# Allegro board hi3518edmeb_ver_a_pcb.brd (continued)
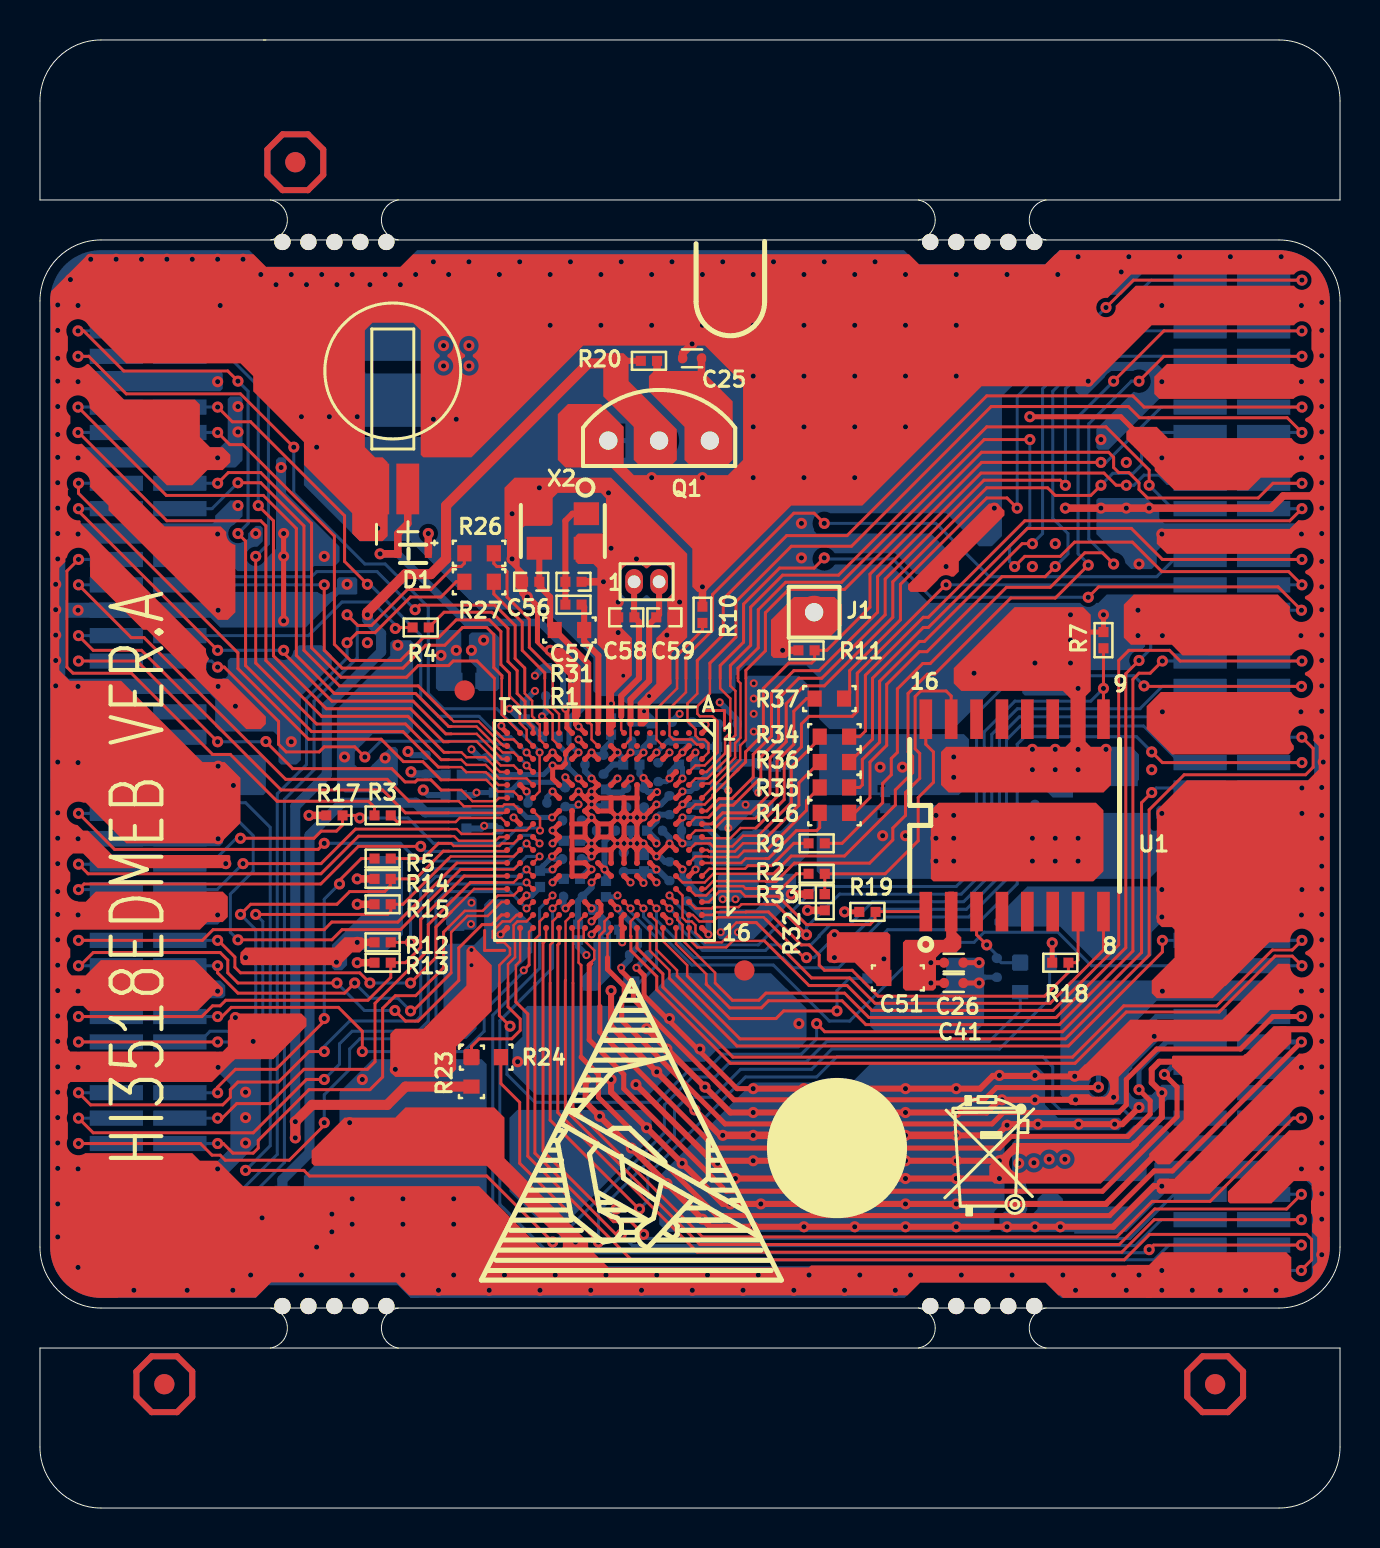
[diagram p0: board, top side]
## Routing (per net, layer and track width the routed paths; a pad name or vN(x,y) marks a point on that pad's centre or on a via; arc(x,y) is an arc through that point)
1V2: length 23
  TOP w0.254: U3.F12 30.2,31.28 v2(30.2,31.26) ; U3.E8 30.85,34.53 v2(30.85,34.54) ; U3.G5 29.55,36.48 v2(29.55,36.49) ; U3.E11 30.85,31.93 v2(30.85,31.93) ; U3.E6 30.82,35.81 v2(30.87,35.81) ; v2(30.85,33.23) U3.E9 ; U3.M8 v2(25.65,33.88) U3.M9 v2(25.65,33.23) ; v2(30.2,36.51) 30.2,36.51 30.52,36.19 U3.E5 ; U3.M6 v2(25.65,35.83) ; U3.M12 v2(25.65,31.28) ; v2(28.9,36.49) U3.H5 ; v2(29.55,31.28) U3.G12
  BOTTOM w0.254: C64.1 25.36,35.55 v2(25.65,35.84) ; C34.1 25.78,33.37 v2(25.65,33.23) ; C66.1 30.76,31.84 v2(30.85,31.93) ; C66.1 30.23,31.29 v2(30.2,31.26) ; C66.1 30.21,31.83 C13.1 29.21,31.64 29.55,31.3 v2(29.55,31.28) ; v2(25.65,33.88) 25.76,34 C12.1
  BOTTOM w0.305: v2(30.85,33.23) 30.85,33.41 C33.1 30.85,34.35 v2(30.85,34.54) 30.99,34.68 C11.1 ; C65.1 25.83,31.46 v2(25.65,31.28) ; v2(28.9,36.49) 28.87,36.49 C35.1 28.47,35.78 29.12,35.78 C1.1 29.34,36.27 v2(29.55,36.49) ; v2(30.85,31.93) 30.9,31.93 31.46,31.38 C23.2 ; LB1.2 24.63,39.08 24.61,39.08 C45.1 24.03,39.44 v2(23.5,39.97) ; C67.1 30,36.71 v2(30.2,36.51) 30.23,36.48 C63.1 30.41,35.81 30.86,35.81 30.86,35.81 v2(30.87,35.81)
  BOTTOM w0.381: C28.1 49.78,34.38
  vias: v1(42.16,33.62) v1(43.31,33.62) v1(44.83,34.64) v1(44.83,33.5) v1(44.83,32.35) v1(45.72,34.64) v1(45.72,33.5) v1(45.72,32.35) v1(49.66,33.5) v1(49.66,32.35) v1(50.8,33.5) v1(50.8,32.35) v1(51.94,33.5) v1(51.94,32.35)
1V8: length 17.4
  TOP w0.254: U3.G3 29.55,37.78 v2(29.55,37.79) ; U3.C8 v2(32.15,34.54) ; U3.F3 30.2,37.78 v2(30.2,37.79) ; U3.C4 v2(31.5,36.49) ; U3.C5 31.82,36.16 v2(32.15,36.49) ; U3.C9 v2(32.15,33.23)
  BOTTOM w0.254: C14.1 32.09,34.48 v2(32.15,34.54) 32.72,34.54 C44.1 ; C15.1 31.34,36.33 v2(31.5,36.49) 31.5,36.49 31.5,36.8 31.88,37.18 C38.1 32.15,37.01 v2(32.15,36.49)
  BOTTOM w0.305: 37.72,37.18 37.62,37.08 C70.1 36.83,37.94 ; C31.1 30.58,38.42 30.2,38.04 v2(30.2,37.79) v2(29.55,37.79) 29.59,37.83 C2.1 ; 33.78,32.99 33.38,33.39 C36.1 32.73,33.23 v2(32.15,33.23) 32.09,33.29 C14.1 ; C44.1 33.05,34.36 34.04,33.37 ; C27.1 20.32,56.61
  BOTTOM w0.381: R21.2 34.91,37.27 C7.1 36,37.08 C70.1
  vias: v1(20.19,58.13) v1(20.19,57.12) v1(21.46,58.13) v1(21.46,57.12) v2(35.71,41.24) v2(35.71,40.48) v2(35.71,39.72) v2(35.71,38.83)
3V3: length 29.8
  TOP w0.254: R18.1 v1(50.65,28.26) ; v2(30.85,31.28) U3.E12 ; U3.M11 v2(25.65,31.93) ; v2(32.15,31.93) U3.C11 ; U3.K3 27.27,37.46 v2(27.6,37.79) U3.J3 ; C41.1 v1(44.58,26.26) ; v2(25.62,32.58) 25.65,32.58 U3.M10 ; R19.1 v1(40.26,29.81) ; C26.1 v1(44.58,27.27)
  TOP w0.381: C25.1 33.1,56.57 32.88,56.35 ; R13.2 v1(15.88,27.27) ; v1(19.43,48.74) D1.2 ; R15.1 v1(15.88,30.19) ; R14.1 v1(15.88,31.46) ; R32.1 v1(38.4,29.89) ; 30.88,56.35 R20.1 ; R17.1 v1(13.46,34.64)
  POWER3 w0.254: 33.52,52.48 Q1.3 ; Q1.3 32.62,53.38 ; Q1.3 33.52,54.29 ; Q1.3 34.42,53.38
  BOTTOM w0.254: LB2.2 v2(21.84,35.78) ; C16.1 25.75,32.45 v2(25.62,32.58) 25.62,32.58 25.46,32.41 25.46,32.4 25.19,32.13 25.17,32.13 25.02,31.97 C39.1 25.58,31.87 v2(25.65,31.93) ; LB3.2 28.83,30.56 v2(28.9,30.63)
  BOTTOM w0.305: v2(27.6,37.79) 27.73,37.65 C3.1 28.19,37.94 28.57,38.32 C32.1 ; v2(32.15,31.93) 32.15,31.53 C9.1 33.21,30.47 C37.1 ; LB5.2 26.92,28.07 v2(27.34,27.65) ; C72.1 21.72,35.65 v2(21.84,35.78)
  BOTTOM w0.381: v2(24.77,41.62) 25.15,42 LB4.1 ; v1(18.56,36.82) 18.67,36.71 C43.1 20.27,36.71 LB6.1 ; 49.15,16.73 C29.1
  vias: v1(21.59,42.89) v1(22.2,43.4) v1(48.97,17.24) v1(49.73,17.27) v1(50.5,17.44) v1(51.28,17.44) v2(21.59,30.27) v2(21.56,29.2) v2(34.16,30.45) v2(34.8,30.45)
AVDD3V3: length 7.8
  TOP w0.127: 26.3,37.23 26.3,37.24 26.25,37.28 26.3,37.33 26.3,37.59 26.25,37.64 26.3,37.68
  TOP w0.254: 26.3,37.68 26.3,37.78 U3.L2 ; 25.65,37.13 v2(25.65,37.13) ; 25.65,37.13 25.65,36.48 U3.M5 ; 25.65,37.13 25.73,37.05 26.12,37.05 26.3,37.23
  BOTTOM w0.254: v2(25.65,37.13) 25.19,36.68 23.46,36.68 C22.1
  BOTTOM w0.305: LB6.2 21.18,36.58 C17.1 C22.1
AVDD12_PLL: length 3
  TOP w0.254: U3.K5 v2(26.95,36.49)
  BOTTOM w0.254: LB1.1 25.92,38.18 26.33,37.78 C18.1 26.33,37.14 26.47,37 26.48,37 26.95,36.53 v2(26.95,36.49)
AVDD33_PLL: length 4.3
  TOP w0.254: v2(26.29,36.54) 26.29,36.49 U3.L5
  BOTTOM w0.254: 26.29,35.95 26.2,35.95 25.85,36.29 23.99,36.29 LB2.1
  BOTTOM w0.305: 26.29,35.95 C19.1 v2(26.29,36.54)
AVDD_AC: length 2.8
  TOP w0.152: U3.J12 v2(27.6,31.28)
  BOTTOM w0.305: LB5.1 26.92,30.36 C40.1 27.6,31.03 v2(27.6,31.28)
AVDD_USB: length 3.7
  TOP w0.254: U3.J11 v2(28.25,31.93) U3.H12
  BOTTOM w0.254: v2(28.25,31.93) 28.32,31.86 LB3.1
  BOTTOM w0.305: C24.2 28.25,33.33 v2(28.25,31.93)
GND: length 446.2
  TOP w0.254: U3.L8 U3.L9 ; U3.L8 U3.K8 ; U3.L8 U3.L7 ; U3.L9 U3.K9 ; U3.L9 U3.L10 ; U3.R8 v2(23.7,34.53) ; U3.G7 U3.G6 ; U3.G7 v2(28.9,34.54) ; U3.G7 v2(29.55,34.54) ; U3.G6 U3.H6 ; U3.G6 U3.F6 ; U3.G10 v2(28.9,33.23) ; U3.G10 U3.G11 ; U3.G10 v2(29.55,33.23) ; v2(28.9,33.23) U3.H10 ; v2(28.9,33.23) U3.G9 ; v2(28.9,33.23) U3.H9 ; v1(53.21,44.67) R7.2 52.37,43.81 ; U3.J6 v2(27.6,35.83) ; U3.J6 v2(27.6,35.19) ; U3.J6 U3.H6 ; v2(27.6,35.84) 27.27,35.51 U3.K6 ; v2(27.6,35.84) U3.J5 v2(27.6,36.48) ; U3.F9 v2(29.55,33.23) ; U3.F9 U3.F8 ; U3.F9 30.2,33.23 v2(30.2,33.23) ; v2(29.55,33.23) U3.F10 ; v2(29.55,33.23) U3.G9 ; U3.H6 U3.H7 ; v2(33.31,39.19) 33.32,39.19 33.32,38.95 U3.A1 ; U3.F8 30.2,34.53 v2(30.2,34.54) ; U3.F8 29.87,34.21 v2(29.55,34.54) ; v2(28.9,34.54) 29.22,34.21 U3.G8 ; v2(28.9,34.54) U3.H8 ; v2(28.9,34.54) 28.9,34.54 U3.H7 ; U3.L11 U3.L12 U3.K12 v2(27.6,31.93) U3.K11 U3.L11 ; U3.L11 U3.L10 ; v2(29.55,34.54) U3.F7 ; v2(29.55,34.54) U3.G8 ; U3.K10 v2(27.6,32.58) U3.J10 ; U3.K10 U3.L10 ; U3.K10 v2(27.6,33.23) ; C51.2 v1(42.23,27.46) ; v2(23.05,28.68) U3.T16 ; U3.K8 U3.K9 ; U3.K8 27.27,34.21 v2(27.6,34.54) ; U3.F7 U3.F6 ; U3.F7 v2(30.2,34.54) ; U3.J16 v2(27.6,28.68) ; U3.H7 U3.J7 v2(27.6,35.18) ; v2(27.6,34.54) U3.K7 27.27,34.86 v2(27.6,35.19) ; v2(27.6,34.53) U3.J8 ; v2(23.09,39.12) 23.11,39.09 23.11,39.02 U3.T1 ; U3.N3 v2(25.65,37.79) 25.97,37.46 U3.M3 ; U3.H10 U3.J10 ; U3.H10 U3.H11 ; U3.J10 v2(27.6,33.23) ; U3.K9 v2(27.6,33.23) ; U3.G8 U3.G9 ; U3.F6 U3.F5 ; v1(46.99,26.26) C41.2 ; v2(27.6,29.33) U3.J15 27.92,29.66 28.07,29.81 28.07,30.16 27.92,30.31 U3.J14 ; v2(27.6,35.19) U3.K6 ; U3.K6 v2(26.95,35.83) 26.62,35.51 U3.L6 ; v1(12.19,48.74) v1(12.19,47.59) v1(12.19,44.37) ; v2(32.8,31.93) U3.B12 ; v2(27.6,33.23) U3.J9 ; v1(35.69,20.97) 34.87,20.97 33.02,22.83 v1(33.02,22.95) 32.89,22.95 31.5,24.35 v1(31.5,24.48) 31.37,24.48 30.23,25.62 30.23,26.64 v2(29.84,27.02) ; v2(30.2,33.23) U3.E10 30.85,32.58 v2(30.85,32.58) v2(31.5,33.23) U3.C10 ; v2(30.2,33.23) U3.F10 ; v2(30.2,34.54) U3.E7 30.85,35.18 v2(30.85,35.19) ; v2(31.5,29.33) 31.5,29.33 U3.D15 ; U3.L14 v2(26.3,29.98) ; v2(32.8,37.79) U3.B3 ; v1(56.13,52.52) 54.08,54.58 v1(49.53,54.58) ; U3.R14 v2(24.35,30.63) ; U3.F10 U3.F11 ; v2(26.95,38.43) U3.K2 ; U3.B6 v2(32.15,35.19) U3.C7 ; U3.H8 U3.J8 ; U3.H8 U3.H9 ; v1(46.99,27.27) C26.2 ; U3.H2 v2(28.9,37.79) U3.H3 ; U3.N1 25.32,39.39 v2(25.12,39.59) ; U3.G15 29.08,29.52 29.08,29.15 U3.G16 29.13,28.92 v2(29.13,28.29) ; U3.J8 U3.J9 ; U3.R5 v2(24.35,35.84) ; U3.J9 U3.H9 ; U3.D3 31.5,37.78 v2(31.5,37.79) ; v2(33.45,28.68) U3.A16 ; v2(26.95,39.08) U3.K1
  TOP w0.305: v1(55.75,23.59) 59.56,23.59 61.82,25.85 v1(63.12,25.85) ; v1(33.91,17.24) 34.67,16.48 v1(34.8,16.48) v1(38.23,16.48) v1(40.77,16.48) v1(43.31,16.48) v1(45.85,16.48) v1(48.01,16.48) ; v1(33.91,17.24) 33.76,17.24 v1(29.82,21.18) ; v1(33.91,17.24) 34.04,17.37 v1(35.69,17.37) v1(38.23,17.37) v1(40.77,17.37) v1(43.31,17.37) v1(45.85,17.37) v1(48.01,17.37) ; v1(51.77,21.59) 51.77,21.58 49.83,21.58 v1(49.78,21.63) 49.76,21.61 48.03,21.61 v1(48.01,21.63) 47.98,21.61 47.68,21.61 47.04,20.97 v1(45.85,20.97) v1(43.31,20.97) v1(40.77,20.97) v1(38.23,20.97) v1(35.69,20.97) ; 56.8,22.32 56.01,22.32 55.63,21.94 55.63,21.28 v1(56.13,20.77) 56.13,19.55 54.6,18.01 ; v2(26.95,39.08) 26.82,39.21 26.82,39.81 ; v1(63.12,22.04) 62.97,22.04 57.02,16.1 v1(56.13,16.1) 55.73,16.1 53.7,14.06 v1(51.05,14.06) v1(49.78,14.06) v1(48.39,14.06) v1(45.85,14.06) v1(43.31,14.06) v1(40.77,14.06) v1(38.23,14.06) v1(35.69,14.06) 33.53,14.06 v1(33.15,14.45) v1(31.37,16.22) v1(29.59,18) v1(28,19.59) 27.3,20.29 v1(27.3,21.43) ; v1(34.16,18.64) 34.04,18.64 v1(32.77,19.91) v1(30.86,21.81) 28.57,24.1 v1(28.57,25.88) ; v1(30.35,23.97) v1(31.37,22.95) v1(33.27,21.05) 34.54,19.78 v1(35.69,19.78) v1(38.23,19.78) v1(40.77,19.78) v1(43.31,19.78) v1(45.85,19.78) 47.37,19.78 48.01,20.41 v1(48.13,20.41) v1(49.78,20.41) v1(51.82,20.41) 53.59,20.41 v1(53.72,20.54) ; 62.08,23.95 63.54,23.95 ; v1(28.57,21.43) 28.57,20.8 v1(30.35,19.02) v1(32.13,17.24) 34.16,15.21 v1(34.54,15.21) v1(36.07,15.21) v1(38.23,15.21) v1(40.64,15.21) v1(43.31,15.21) v1(45.85,15.21) 53.34,15.21 55.76,17.63 ; v1(54.99,20.03) 54.15,19.2 v1(53.77,19.2) v1(51.97,19.2) v1(49.94,19.2) 48.44,19.2 v1(48.39,19.14) 47.88,18.64 v1(45.85,18.64)
  TOP w0.381: R33.2 v1(37.59,30.7) ; v2(26.67,41.37) 26.82,41.22 26.82,39.81 ; 64.01,50.62 62.2,50.62 61.59,50.01 v1(55.5,50.01) v1(54.36,50.01) v1(53.09,50.01) v1(51.31,50.01) ; v1(34.16,18.64) v1(35.69,18.64) v1(38.23,18.64) v1(40.77,18.64) v1(43.31,18.64) v1(45.85,18.64) ; v1(24.38,45.56) 24.17,45.77 C56.2 ; R11.2 v1(37.16,42.89) ; v1(32.63,58.22) 32.16,57.75 C25.2 ; C57.2 v1(28.19,46.32) ; U1.10 v1(51.94,40.99) ; R10.1 v1(33.15,46.07) ; R12.2 v1(15.88,28.29) ; U2.2 v1(16.9,49)
  GND02 w0.254: Q1.1 29.34,53.38 ; Q1.1 28.44,52.48 ; Q1.1 28.44,54.29 ; Q1.1 27.54,53.38
  BOTTOM w0.254: C12.2 27.45,34.38 v2(27.6,34.54) ; v2(31.5,37.79) 30.98,37.27 C15.2 ; v2(29.55,33.23) 29.57,33.25 C33.2 ; C63.2 30.23,34.56 v2(30.2,34.54) ; v2(30.2,33.23) 30.23,33.21 C66.2 ; 19.55,55.12 C27.2 20.32,54.45 ; C64.2 24.42,35.76 v2(24.35,35.84) ; C38.2 32.79,37.78 v2(32.8,37.79) ; C46.2 47.28,26.55 v1(46.99,26.26) ; 27.54,53.38 Q1.1 ; Q1.1 28.44,54.29 ; Q1.1 28.44,52.48 ; Q1.1 29.34,53.38 ; v2(26.95,35.19) 26.85,35.08 C19.2 ; C13.2 29.21,32.92 v2(28.9,33.23) ; C1.2 29.34,34.97 v2(28.9,34.54) ; v2(27.6,35.19) 27.66,35.12 C35.2 ; v2(27.6,32.58) 27.47,32.45 C16.2 ; C24.1 27.85,33.49 v2(27.6,33.23) 27.46,33.37 C34.2
  BOTTOM w0.305: v2(32.8,31.93) 32.89,32.03 C36.2 ; C8.2 22.78,34.12 v2(22.23,34.12) 22.09,33.98 C71.2 ; v2(28.57,40.23) 28.57,40.23 C32.2 ; C9.2 33.08,29.66 C37.2 33.45,29.61 v2(33.45,28.68) ; v2(25.12,39.59) 25.31,39.78 C20.2 ; C2.2 29.65,39.24 C31.2 30.61,39.46 v2(30.23,39.85) ; v2(30.85,32.58) 31.01,32.58 31.28,32.31 C23.1 ; v2(33.31,39.19) 33.28,39.21 32.73,39.21 C5.2 ; v2(34.44,35.88) 34.21,36.11 C4.2 ; v2(32,39.72) 31.62,39.34 C6.2 ; v2(26.3,29.98) 26.2,30.08 C40.2 ; C43.2 18.6,37.65 v1(18.41,37.84) ; C39.2 24.6,30.63 v2(24.35,30.63) ; C18.2 27.27,36.85 27.6,36.52 v2(27.6,36.49) ; v2(24.77,40.86) 24.26,40.35 C45.2 ; C65.2 27.41,31.84 27.51,31.84 v2(27.6,31.93) ; v2(28.9,37.79) 28.9,37.75 29.18,37.47 C67.2 28.66,37.18 C3.2 ; v2(32.15,35.19) 32.16,35.17 C44.2 ; C22.2 C17.2 22.01,37.52 21.59,37.94 v2(21.59,37.94) ; C11.2 31.06,35.19 v2(30.85,35.19) ; C14.2 31.5,33.53 v2(31.5,33.23) ; v2(29.13,28.29) 28.98,28.44 C50.2 ; C72.2 19.43,35.65 v1(19.18,35.91) ; v2(29.84,27.02) 30.44,27.62 C21.1 ; v2(35.94,35.78) 35.81,35.91 C7.2 36.77,36.33 C70.2 ; v2(34.01,40.29) 34.89,39.42 C10.2 34.89,38.26 R22.1
  BOTTOM w0.381: J2.34 v1(8.91,41.09) ; C28.2 49.78,36.8 v1(49.66,36.92) ; C30.2 13.72,12.92 v1(13.84,13.05) ; J2.15 v1(1.91,52.52) ; v1(63.12,22.04) J3.64 60.27,22.04 59,20.77 J3.65 v1(56.13,20.77) 55.4,20.03 v1(54.99,20.03) 54.86,20.03 54.36,20.54 v1(53.72,20.54) 53.72,21.56 v1(55.75,23.59) ; J3.43 v1(56.13,34.74) ; J2.45 v1(1.91,33.47) ; J2.72 v1(8.89,16.96) ; J3.29 v1(56.16,43.63) ; J2.51 v1(1.91,29.66) ; J2.33 v1(1.91,41.09) ; J2.27 v1(1.91,44.9) ; J2.22 v1(8.89,48.71) ; J3.35 v1(56.16,39.82) ; J2.21 v1(1.91,48.71) ; J2.28 v1(8.91,44.9) ; J2.57 v1(1.91,25.85) ; J3.57 v1(56.16,25.85) ; J2.4 v1(9.02,60.14) ; J3.21 v1(56.13,48.71) ; J3.58 v1(63.12,25.85) ; J2.63 v1(1.91,22.04) ; C29.2 49.15,14.19 ; J2.64 v1(8.91,22.04) ; J3.42 v1(63.14,36.01) ; J2.3 v1(1.91,60.14) ; J2.46 v1(8.91,33.47) ; J2.10 v1(8.89,56.33) ; J2.52 v1(8.89,29.66) ; J3.30 v1(63.09,43.63) ; J2.58 v1(8.89,25.85) ; J2.16 v1(8.89,52.52) ; J3.44 v1(63.14,34.74) ; J2.9 v1(1.91,56.33) ; J3.36 v1(63.09,39.82) ; J2.39 v1(1.91,37.28) ; J2.71 v1(1.91,16.96)
  BOTTOM w0.508: J3.15 v1(56.13,52.52) ; J3.9 v1(56.13,56.33) ; J3.22 v1(63.12,48.71) ; J3.16 v1(63.12,52.52) ; J3.10 v1(63.12,56.33) ; v1(56.13,60.14) J3.3 J3.4 v1(63.12,60.14)
  vias: v1(0.79,46.2) v1(0.79,44.93) v1(0.79,43.66) v1(0.79,42.39) v1(0.79,41.12) v1(0.89,60.17) v1(0.89,58.9) v1(0.89,57.5) v1(0.89,56.36) v1(0.89,55.09) v1(0.89,53.69) v1(0.89,52.55) v1(0.89,51.28) v1(0.89,50.01) v1(0.89,48.74) v1(0.89,47.47) v1(0.89,37.31) v1(0.89,34.77) v1(0.89,33.5) v1(0.89,32.23) v1(0.89,30.83) v1(0.89,29.69) v1(0.89,28.42) v1(0.89,27.15) v1(0.89,25.88) v1(0.89,24.61) v1(0.89,23.34) v1(0.89,22.07) v1(0.89,20.8) v1(0.89,19.53) v1(0.89,18.26) v1(0.89,16.99) v1(0.89,15.21) v1(0.89,13.56) v1(1.52,61.44) v1(1.91,12.03) v1(2.54,62.45) v1(3.81,62.45) v1(4.7,10.89) v1(5.08,62.45) v1(6.35,62.45) v1(7.37,10.89) v1(7.62,62.45) v1(8.89,62.45) v1(8.91,37.1) v1(9.3,32.23) v1(9.68,36.14) v1(9.65,10.89) v1(9.78,40.1) v1(9.78,24.53) v1(9.91,55.09) v1(9.91,53.82) v1(9.91,50.13) v1(10.16,62.45) v1(10.29,27.53) v1(10.29,20.8) v1(10.29,19.53) v1(10.29,18.26) v1(10.54,11.65) v1(10.67,23.34) v1(10.79,48.74) v1(11.05,61.69) v1(11.11,14.51) v1(11.81,61.18) v1(12.06,52.04) v1(12.57,61.69) v1(12.57,38.32) v1(13.08,54.58) v1(13.08,11.65) v1(13.34,61.18) v1(13.84,53.05) v1(14.1,61.69) v1(14.22,47.59) v1(14.48,54.58) v1(14.61,14.7) v1(14.61,13.81) v1(14.83,27.3) v1(14.86,61.18) v1(15.24,37.56) v1(15.37,46.2) v1(15.49,19.27) v1(15.62,61.69) v1(15.62,15.46) v1(15.62,14.19) v1(15.62,11.65) v1(15.88,54.58) v1(16.13,21.43) v1(16.38,43.27) v1(16.51,61.18) v1(17.27,61.69) v1(17.27,37.51) v1(17.78,21.94) v1(17.91,43.15) v1(18.03,61.18) v1(18.16,15.46) v1(18.16,14.19) v1(18.16,11.65) v1(18.8,61.69) v1(19.68,62.32) v1(19.68,54.45) v1(19.94,10.89) v1(20.07,42.64) v1(20.45,61.69) v1(20.7,15.46) v1(20.7,14.19) v1(20.7,11.65) v1(20.83,54.45) v1(20.83,42.89) v1(21.46,62.32) v1(22.48,10.89) v1(22.99,61.69) v1(23.24,11.65) v1(23.62,49.73) v1(23.62,47.47) v1(23.9,22.32) v1(24,62.32) v1(24.99,51.02) v1(25.02,10.89) v1(25.53,61.69) v1(25.53,59.15) v1(25.53,42.89) v1(25.78,11.65) v1(26.54,62.32) v1(26.8,13.3) v1(27.56,10.89) v1(28.07,61.69) v1(28.07,59.15) v1(28.32,11.65) v1(28.45,50.77) v1(28.57,48) v1(28.83,14.95) v1(28.93,45.31) v1(28.93,43.78) v1(29.08,62.32) v1(29.84,47.47) v1(30.1,10.89) v1(30.61,61.69) v1(30.61,59.15) v1(30.61,51.53) v1(30.86,11.65) v1(31.37,43.66) v1(31.62,62.32) v1(32,45.31) v1(32.64,10.89) v1(33.15,61.69) v1(33.15,59.15) v1(33.15,51.53) v1(33.4,11.65) v1(34.16,62.32) v1(35.18,10.89) v1(35.69,61.69) v1(35.69,59.15) v1(35.69,56.61) v1(35.69,54.07) v1(35.69,51.53) v1(35.94,11.65) v1(36.7,62.32) v1(37.72,10.89) v1(37.97,24.22) v1(38.1,49.24) v1(38.1,47.52) v1(38.23,61.69) v1(38.23,59.15) v1(38.23,56.61) v1(38.23,54.07) v1(38.23,51.53) v1(38.48,11.65) v1(39.24,62.32) v1(39.75,28.67) v1(39.75,27.53) v1(40.26,10.89) v1(40.77,61.69) v1(40.77,59.15) v1(40.77,56.61) v1(40.77,54.07) v1(40.77,51.53) v1(41.02,11.65) v1(41.78,62.32) v1(42.04,37.05) v1(42.8,10.89) v1(43.15,37.05) v1(43.31,61.69) v1(43.31,59.15) v1(43.31,56.61) v1(43.31,54.07) v1(43.56,11.65) v1(45.34,47.08) v1(45.72,37.56) v1(45.72,36.54) v1(45.85,61.69) v1(45.85,59.15) v1(45.85,56.61) v1(46.1,11.65) v1(46.74,41.75) v1(47.75,50.01) v1(48.39,61.69) v1(48.64,11.65) v1(49.66,47.08) v1(49.66,37.94) v1(49.78,42.26) v1(50.8,48.23) v1(50.8,37.94) v1(50.8,36.92) v1(50.93,61.69) v1(51.18,11.65) v1(51.56,44.67) v1(51.56,43.4) v1(51.56,42.26) v1(51.82,10.89) v1(51.94,62.58) v1(51.94,37.94) v1(51.94,36.92) v1(52.45,56.36) v1(53.09,53.43) v1(53.34,37.94) v1(53.72,11.65) v1(54.1,61.82) v1(54.36,52.29) v1(54.36,10.89) v1(54.48,62.58) v1(54.94,44.9) v1(54.94,43.63) v1(54.99,47.21) v1(54.99,11.65) v1(55.63,36.92) v1(56.13,30.93) v1(56.13,29.56) v1(56.13,11.88) v1(56.13,10.89) v1(57.02,62.58) v1(57.66,10.89) v1(59.05,10.89) v1(59.56,62.58) v1(60.33,10.89) v1(61.85,10.89) v1(62.1,62.58) v1(63.14,30.93) v1(63.12,29.66) v1(63.12,16.96) v1(64.14,60.29) v1(64.14,58.9) v1(64.14,57.63) v1(64.14,56.36) v1(64.14,55.09) v1(64.14,53.82) v1(64.14,52.55) v1(64.14,51.28) v1(64.14,50.01) v1(64.14,48.74) v1(64.14,47.34) v1(64.14,46.07) v1(64.14,44.93) v1(64.14,43.66) v1(64.14,42.39) v1(64.14,41.12) v1(64.14,39.85) v1(64.14,38.58) v1(64.14,36.04) v1(64.14,34.64) v1(64.14,33.5) v1(64.14,32.1) v1(64.14,30.96) v1(64.14,29.69) v1(64.14,28.42) v1(64.14,27.15) v1(64.14,25.88) v1(64.14,24.61) v1(64.14,23.34) v1(64.14,22.07) v1(64.14,20.8) v1(64.14,19.53) v1(64.14,18.26) v1(64.14,16.99) v1(64.14,15.72) v1(64.14,14.45) v1(64.14,12.67) v1(64.21,37.31) v2(21.59,27.91) v2(21.59,27.15) v2(29.18,41.62) v2(30.48,40.61) v2(34.06,28.8) v2(34.44,34) v2(34.92,28.8) v2(35.31,35.17)
AC_LINER: length 52.8
  TOP w0.127: U3.K15 26.95,29.33 26.95,27.27 27.08,27.15
  TOP w0.152: 27.08,27.15 27.08,22.55
  TOP w0.254: v1(63.11,23.31) 56.66,16.86 55.75,16.86 53.52,14.62 33.86,14.62 27.94,20.54 27.94,21.68 27.08,22.55
  BOTTOM w0.254: J3.62 v1(63.11,23.31)
AC_MICBIAS: length 38.6
  TOP w0.254: v1(52.96,21.05) 52.93,21.02 47.85,21.02 47.24,20.41 34.72,20.41 29.69,25.44 29.69,26.26 29.08,26.87 v2(29.08,27.02) ; U3.H14 v2(28.9,29.98)
  BOTTOM w0.254: J3.59 55.85,24.58 52.96,21.68 v1(52.96,21.05)
  BOTTOM w0.305: v2(29.08,27.02) 29.5,27.44 C21.2 29.97,28.12 29.97,28.88 28.9,29.95 v2(28.9,29.98)
AC_MICIN_L: length 44.8
  TOP w0.127: 27.56,27.22 27.56,27.27 27.74,27.45 27.74,27.88 27.2,28.42 27.2,28.94 U3.K16
  TOP w0.254: 27.56,27.22 27.48,27.15 27.48,23.41 29.21,21.68 29.21,20.97 34.34,15.84 53.16,15.84 56.9,19.58 56.9,21.05 v1(56.26,21.68)
  BOTTOM w0.254: J3.63 56.62,22.04 v1(56.26,21.68)
AC_OUTL: length 42.8
  TOP w0.127: U3.H15 28.25,29.33 28.25,28.88 27.99,28.62 27.99,26.26
  TOP w0.152: 28.02,25.09 27.99,25.11 27.99,26.26
  TOP w0.254: 28.02,25.09 28.02,23.79 33.81,18 48.01,18 48.59,18.59 54.43,18.59 55.55,19.7 55.55,20.36 v1(54.99,20.92)
  BOTTOM w0.254: J3.61 56.36,23.31 54.99,21.94 v1(54.99,20.92)
AC_OUTR: length 46.1
  TOP w0.127: 28.4,27.53 28.4,28.66 28.57,28.84 U3.H16
  TOP w0.254: 28.4,27.53 28.4,26.94 29.24,26.1 29.24,25.62 29.11,25.49 29.11,24.38 34.28,19.21 47.64,19.21 48.21,19.78 53.98,19.78 54.36,20.16 54.36,21.43 55.88,22.95 60.07,22.95 61.7,24.58 v1(63.11,24.58)
  BOTTOM w0.254: J3.60 v1(63.11,24.58)
AC_VREF: length 0.5
  TOP w0.254: U3.K14 v2(27.6,29.98)
DDR_VERF: length 10.4
  TOP w0.254: U3.C6 32.15,35.83 v2(32.15,35.84) ; U3.C3 v2(32.15,37.79) U3.B2 ; U3.E3 30.85,37.78 v2(30.85,37.78)
  BOTTOM w0.254: v2(30.85,37.79) 31.42,38.36 C6.1 ; C4.1 32.55,35.84 v2(32.15,35.84)
  BOTTOM w0.305: C4.1 33.77,37.05 R21.1 ; C10.1 33.95,38.13 R22.2 33.4,38.07 33.11,38.36 C5.1 ; C5.1 32.64,38.32 32.15,37.83 v2(32.15,37.79) ; C5.1 C6.1
  BOTTOM w0.381: R21.1 R22.2
EPHY_CLK/VOU1120_DATA2: length 45.1
  TOP w0.152: v1(63.14,57.6) 56.23,57.6 v1(54.99,56.36) ; R9.2 40.13,33.24 42.16,35.27 42.16,36.24 42.6,36.67 42.6,37.48 42.9,37.79 42.9,40.96 44.17,42.23 44.54,42.23 48.35,46.04 50.55,46.04 52.28,47.77 53.16,47.77 v1(53.72,47.21)
  BOTTOM w0.152: J3.8 v1(63.14,57.6) ; v1(54.99,56.36) 54.61,56.36 52.48,54.22 52.48,48.46 v1(53.72,47.21)
ETH_RSTN: length 56.9
  TOP w0.127: U3.R15 23.85,29.66 23.52,29.33 23.14,29.33 22.65,28.85 22.65,28.52 22.89,28.29 23.22,28.29 23.52,28 23.52,27.67 22.99,27.15 22.99,26.26
  TOP w0.152: v1(38.86,24.22) 39.27,23.82 51.16,23.82 55.12,27.78 55.12,35.27 v1(55.63,35.78) ; v1(23.52,24.1) 22.99,24.63 22.99,26.26
  BOTTOM w0.152: v1(23.52,24.1) 23.37,23.95 23.37,21.68 24.77,20.29 30.86,20.29 32.51,21.94 33.4,21.94 34.16,22.7 38.1,22.7 38.86,23.46 v1(38.86,24.22) ; J3.41 55.85,36.01 v1(55.63,35.78)
FLASH_TRIG/GPIO1_7: length 26.9
  TOP w0.127: U3.P9 v2(25,33.23)
  TOP w0.152: v1(19.05,33.09) 15.93,33.09 14.05,31.21 2.21,31.21 v1(1.93,30.93)
  BOTTOM w0.152: v1(19.05,33.09) 19.3,32.84 23.34,32.84 24.15,33.64 24.59,33.64 v2(25,33.23) ; J2.49 v1(1.93,30.93)
I2C_SCL: length 24.5
  TOP w0.127: U3.T10 23.32,32.85 20.45,32.85
  TOP w0.152: v1(10.03,29.69) 10.54,30.19 14.86,30.19 15.49,30.83 17.25,30.83 17.53,31.11 17.53,31.44 R14.2 18.8,31.46 20.18,32.85 20.45,32.85
  BOTTOM w0.152: J2.62 7.97,23.31 8.51,23.84 9.91,23.84 10.79,24.73 10.79,28.92 v1(10.03,29.69)
I2C_SDA: length 31.7
  TOP w0.127: 20.45,32.48 20.55,32.58 23.7,32.58 U3.R10
  TOP w0.152: v1(1.93,23.31) v1(8.89,23.31) ; v1(10.79,29.69) 17.4,29.69 17.55,29.84 R15.2 18.16,30.19 20.45,32.48
  BOTTOM w0.152: v1(8.89,23.31) 9.88,23.31 11.15,24.58 11.15,29.33 v1(10.79,29.69) ; J2.61 v1(1.93,23.31)
IR_IN: length 25.7
  TOP w0.127: 22.61,31.93 23.7,31.93 U3.R11
  TOP w0.152: v1(9.91,28.42) 14.61,28.42 15.11,28.92 18.03,28.92 21.04,31.93 22.61,31.93
  BOTTOM w0.152: v1(9.91,28.42) 9.53,28.8 9.53,30.7 10.67,31.84 10.67,33.62 9.55,34.74 J2.44
JTAG_EN: length 23.5
  TOP w0.127: U3.P16 24.47,28.81 24.47,28
  TOP w0.152: 24.47,28 24.47,27.16 v2(24.21,26.89) ; v1(16.13,22.83) 16.13,23.84 14.94,25.04 9.57,25.04 9.11,24.58 v1(8.89,24.58)
  BOTTOM w0.152: v1(16.13,22.83) 21.21,22.83 22.23,23.84 22.23,24.86 24.21,26.84 v2(24.21,26.89) ; J2.60 v1(8.89,24.58)
JTAG_TCK: length 26
  TOP w0.127: 20.45,29.05 21.26,29.86 22.15,29.86 22.92,30.63 23.7,30.63 U3.R13
  TOP w0.152: v1(8.89,18.23) 9.17,18.23 9.65,17.75 10.67,17.75 10.92,18 10.92,18.38 13.46,20.92 16.51,20.92 17.14,21.56 17.14,24.99 17.5,25.34 17.78,25.62 18.8,25.62 20.19,27.02 20.19,28.8 20.45,29.05
  BOTTOM w0.152: J2.70 v1(8.89,18.23)
JTAG_TDI: length 36.2
  TOP w0.127: U3.P14 v2(24.35,29.98)
  TOP w0.152: v1(14.22,19.27) 14.22,19.14 12.47,17.39 9.27,17.39 9.02,17.65 8.61,17.65 8.03,18.23 v1(1.93,18.23)
  BOTTOM w0.152: v1(14.22,19.27) 14.22,20.67 15.49,21.94 15.49,22.95 16,23.46 19.18,23.46 19.81,24.1 19.81,30.32 20.32,30.83 23.5,30.83 v2(24.35,29.98) ; J2.69 v1(1.93,18.23)
JTAG_TDO: length 34.5
  TOP w0.127: U3.P13 v2(24.35,31.28)
  TOP w0.152: v1(1.93,19.5) 2.66,18.76 10.67,18.76 13.34,21.43 v1(14.22,21.43)
  BOTTOM w0.152: v1(14.22,21.43) 14.99,22.19 14.99,23.21 15.62,23.84 18.92,23.84 19.43,24.35 19.43,30.57 20.07,31.21 24.27,31.21 v2(24.35,31.28) ; J2.67 v1(1.93,19.5)
JTAG_TMS: length 20.4
  TOP w0.127: U3.T13 21.72,30.96 20.57,29.81
  TOP w0.152: v1(16.51,26.26) 16,26.76 10.03,26.76 9.75,27.04 9.75,27.55 8.92,28.39 v1(8.89,28.39) ; v1(18.54,26.26) 19.81,27.53 19.81,29.05 20.57,29.81
  BOTTOM w0.152: v1(16.51,26.26) v1(18.54,26.26) ; J2.54 v1(8.89,28.39)
JTAG_TRSTN: length 21.4
  TOP w0.127: U3.T14 23.1,30.31 22.4,29.61 21.39,29.61 20.57,28.8 20.57,26.76
  TOP w0.152: 20.57,26.76 18.67,24.86 v1(18.54,24.86) ; v1(8.89,27.12) 8.89,26.76 9.91,25.75 15.24,25.75 v1(15.75,26.26)
  BOTTOM w0.152: v1(18.54,24.86) 17.91,25.49 16.51,25.49 v1(15.75,26.26) ; J2.56 v1(8.89,27.12)
MDCK/VOU1120_DATA6/BOOT_SEL: length 36.9
  TOP w0.127: U3.B7 32.8,35.19 33.26,35.19 33.66,35.58 33.66,35.65 34.67,36.67
  TOP w0.152: 34.67,36.67 34.92,36.92 34.92,36.93 35.31,37.31 35.31,37.81 36.2,38.7 36.2,40.99 37.47,42.26 38.61,42.26 38.76,42.41 R11.1 39.37,42.89 41.53,45.05 41.53,46.7 47.12,52.29 v1(53.09,52.29)
  BOTTOM w0.152: v1(53.09,52.29) 53.34,52.29 56.11,55.06 J3.11
MDIO/VOU1120_DATA14: length 45.8
  TOP w0.127: 33.52,41.5 33.52,40.73 32.89,40.1 32.89,39.72 33.02,39.59 33.66,39.59 33.91,39.34 33.91,37.79 33.26,37.13 32.8,37.13 U3.B4
  TOP w0.152: 33.52,41.5 33.52,42.25 34.82,43.55 34.82,45.33 37.59,48.1 40.6,48.1 47.59,55.09 54.46,55.09 55.02,54.53 55.47,54.53 62.41,54.53 v1(63.14,53.79)
  BOTTOM w0.152: J3.14 v1(63.14,53.79)
MII_COL/VOU1120_DATA9: length 35.5
  TOP w0.152: v1(54.36,51.15) 53.85,51.15 53.24,51.76 47.09,51.76 41.91,46.58 41.91,44.8 38.99,41.88 37.72,41.88 36.6,40.76 36.6,38.6 35.69,37.69 35.69,36.54 34.62,35.48 33.99,35.48 33.37,34.86 U3.A7
  BOTTOM w0.152: v1(54.36,51.15) 54.74,51.15 55.24,51.66 56.01,51.66 56.41,51.25 J3.17
MII_CRS/VOU1120_DATA10: length 36.9
  TOP w0.152: v1(53.09,51.15) 52.58,50.64 50.8,50.64 50.42,51.02 47.37,51.02 42.67,46.32 42.67,44.54 39.24,41.12 38.23,41.12 37.34,40.23 37.34,38.32 36.53,37.51 36.53,35.73 35.56,34.77 34.16,34.77 33.61,34.21 U3.A8
  BOTTOM w0.152: J3.13 56.11,53.79 55.12,52.8 55.12,52.16 54.7,51.75 53.68,51.75 v1(53.09,51.15)
MII_RXCK/VOU1120_CLK: length 44.8
  TOP w0.127: 32.89,41.5 32.89,40.73 32.4,40.24 32.4,39.35 32.8,38.95 32.8,38.63 32.99,38.44 33.26,38.44 33.45,38.24 33.45,37.78 U3.A3
  TOP w0.152: 32.89,41.5 32.89,42.38 34.19,43.68 34.19,45.46 37.36,48.63 40.38,48.63 47.37,55.62 54.68,55.62 55.24,55.06 v1(63.14,55.06)
  BOTTOM w0.152: J3.12 v1(63.14,55.06)
MII_RXD0/VOU1120_DATA12: length 44.4
  TOP w0.127: U3.A6 33.59,35.98 33.6,35.98 35.04,37.42 35.04,38.13 35.32,38.41 35.32,41.5
  TOP w0.152: v1(63.14,51.25) 61.7,51.25 60.96,50.51 55.42,50.51 54.99,50.94 54.99,51.28 54.48,51.78 53.98,51.78 53.72,52.04 53.72,52.55 53.47,52.8 47.12,52.8 40.26,45.94 37.47,45.94 36.3,44.77 36.3,42.87 35.32,41.89 35.32,41.5
  BOTTOM w0.152: J3.18 v1(63.14,51.25)
MII_RXD1/VOU1120_DATA8: length 51.9
  TOP w0.127: 34.92,41.5 34.92,41.37 35.05,41.24 35.05,38.53 34.79,38.26 34.79,37.52 33.49,36.23 33.2,36.23 U3.A5
  TOP w0.152: v1(48.77,47.08) 49.28,47.59 51.05,47.59 51.77,48.3 54.66,48.3 56.13,46.83 62.48,46.83 v1(63.14,46.17) ; 34.92,41.5 34.92,42 35.94,43.02 35.94,44.93 37.31,46.3 40.11,46.3 47.24,53.43 v1(49.53,53.43)
  BOTTOM w0.152: v1(48.77,47.08) 48.51,47.34 48.51,48.1 49.53,49.12 v1(49.53,53.43) ; J3.26 v1(63.14,46.17)
MII_RXD2/VOU1120_DATA11: length 39.1
  TOP w0.127: U3.B5 32.8,36.49 33.39,36.49 34.53,37.63 34.53,38.39 34.8,38.65 34.8,40.86 34.54,41.12 34.54,41.5
  TOP w0.152: v1(55.5,51.15) 55.5,51.91 53.34,54.07 47.37,54.07 39.95,46.65 37.16,46.65 35.56,45.05 35.56,43.15 34.54,42.13 34.54,41.5
  BOTTOM w0.152: v1(55.5,51.15) 56.67,49.98 J3.19
MII_RXD3/VOU1120_DATA15: length 42.1
  TOP w0.127: U3.A4 33.35,36.81 34.28,37.73 34.28,38.51 34.54,38.78 34.54,40.48 34.04,40.99 34.04,41.5
  TOP w0.152: 34.04,41.5 34.04,42.13 35.2,43.3 35.2,45.21 37.01,47.01 38.73,47.01 v1(39.24,47.52) ; v1(63.12,44.9) 61.95,46.07 52.97,46.07 v1(52.45,45.55)
  BOTTOM w0.152: v1(39.24,47.52) 39.24,47.49 39.27,47.47 42.67,47.47 44.59,45.55 v1(52.45,45.55) ; J3.28 v1(63.12,44.9)
MII_RXDV/VOU1120_DATA1: length 52.9
  TOP w0.127: U3.C12 32.15,31.28 33.26,31.28 33.69,31.72 36.32,31.72
  TOP w0.152: 36.32,31.72 36.7,31.72 37.59,32.61 40.25,32.61 42.8,35.15 42.8,35.91 43.66,36.77 43.66,37.59 43.43,37.81 43.43,40.73 44.4,41.7 44.76,41.7 48.57,45.51 50.81,45.51 v1(52.45,47.16) ; v1(63.14,58.87) 56.23,58.87 v1(53.72,56.36)
  BOTTOM w0.152: J3.6 v1(63.14,58.87) ; v1(53.72,56.36) 51.94,54.58 51.94,47.72 52.45,47.21 v1(52.45,47.16)
MII_RXER: length 37.5
  TOP w0.127: U3.A2 33.06,38.18 32.86,38.18 32.61,38.43 31.69,38.43 31.5,38.63 31.5,39.98 32.32,40.8 32.32,41.5
  TOP w0.152: v1(39.24,49.24) 38.73,49.75 37.72,49.75 33.66,45.69 33.66,43.91 32.32,42.58 32.32,41.5
  BOTTOM w0.152: J3.23 56.74,47.44 55.88,46.58 47.5,46.58 44.83,49.24 v1(39.24,49.24)
MII_TXCK/VOU1120_DATA7: length 30.9
  TOP w0.152: R34.1 41.02,38.58 41.3,38.86 41.3,41.65 44.2,44.54 44.45,44.54 49.28,49.37 62.53,49.37 v1(63.14,49.98)
  BOTTOM w0.152: J3.20 v1(63.14,49.98)
MII_TXD0/VOU1120_DATA4: length 36.2
  TOP w0.152: v1(50.8,47.08) 50.29,46.58 48.13,46.58 44.38,42.83 44,42.83 42.37,41.19 42.37,38.14 41.53,37.31 41.53,35.53 40.77,34.77 R16.1
  BOTTOM w0.152: v1(50.8,47.08) 51.44,47.72 51.44,48.74 50.67,49.5 50.67,55.85 53.69,58.87 J3.5
MII_TXD1/VOU1120_DATA0: length 34.8
  TOP w0.152: v1(49.66,48.23) 49.14,48.23 44.25,43.34 44.01,43.34 42.01,41.34 42.01,38.3 41.15,37.43 41.15,36.16 41.02,36.04 R35.1
  BOTTOM w0.152: v1(49.66,48.23) 50.16,48.74 50.16,55.97 55.6,61.41 J3.1
MII_TXD2/VOU1120_DATA13: length 31.8
  TOP w0.152: v1(63.14,47.44) 56.16,47.44 54.61,48.99 49.4,48.99 44.45,44.04 44.2,44.04 41.66,41.5 41.66,38.45 40.51,37.31 R36.1
  BOTTOM w0.152: J3.24 v1(63.14,47.44)
MII_TXD3/VOU1120_DATA3: length 38.9
  TOP w0.152: v1(53.34,60.04) 54.71,61.41 v1(63.14,61.41) ; R37.1 40.51,40.76 40.51,41.88 43.05,44.42 43.05,46.2 47.37,50.51 48.39,50.51 v1(48.9,50.01)
  BOTTOM w0.152: J3.2 v1(63.14,61.41) ; v1(53.34,60.04) 48.9,55.59 v1(48.9,50.01)
MII_TXEN/VOU1120_DATA5: length 41.1
  TOP w0.127: 33.45,34.54 32.8,34.54 U3.B8
  TOP w0.152: v1(51.31,51.15) 51.05,51.4 47.23,51.4 42.29,46.46 42.29,44.67 39.12,41.5 37.97,41.5 36.96,40.48 36.96,38.45 36.07,37.56 36.07,36.53 34.69,35.15 34.06,35.15 33.45,34.54
  BOTTOM w0.152: J3.7 52.93,57.6 51.31,55.97 v1(51.31,51.15)
MII_TXER: length 33
  TOP w0.127: 35.82,34 35.05,34 34.54,33.5 33.19,33.5 U3.A9
  TOP w0.152: v1(45.34,46.17) 45.31,46.17 40.89,41.75 40.89,39.85 40.64,39.59 38.48,39.59 38.1,39.21 38.1,38.06 37.24,37.2 37.24,35.43 36.7,34.89 36.7,34.89 35.82,34
  BOTTOM w0.152: v1(45.34,46.17) J3.25
PER_RSTN: length 69.8
  TOP w0.152: v1(10.29,16.88) 13.21,16.88 13.49,16.6 22.35,16.6 v1(25.65,13.3)
  BOTTOM w0.152: v1(25.65,13.3) 25.78,13.3 31.24,18.76 31.24,20.16 32.64,21.56 33.78,21.56 34.54,22.32 38.35,22.32 39.37,23.34 47.5,23.34 49.05,24.89 R29.2 ; v1(10.29,16.88) 11.52,18.12 11.52,34.04 10.29,35.27 9.14,35.27 8.41,36.01 J2.42
POR_SEL: length 24.9
  TOP w0.127: 20.86,32.26 U3.T11
  TOP w0.152: v1(1.93,28.39) 8.13,28.39 8.66,28.92 14.22,28.92 14.61,29.3 17.91,29.3 20.86,32.26
  BOTTOM w0.152: J2.53 v1(1.93,28.39)
PWM_OUT0: length 24.5
  TOP w0.127: U3.R12 23.7,31.28 22.86,31.28
  TOP w0.152: v1(8.89,19.5) 9.12,19.5 9.84,20.22 11.49,20.22 13.21,21.94 16.38,21.94 16.76,22.32 16.76,25.24 19.43,27.91 19.43,29.18 21.54,31.28 22.86,31.28
  BOTTOM w0.152: J2.68 v1(8.89,19.5)
PWM_OUT1: length 33.9
  TOP w0.127: U3.P12 v2(24.35,31.93)
  TOP w0.152: v1(1.93,20.77) 2.54,20.16 9.14,20.16 9.53,20.54 9.53,20.92 9.91,21.3 11.94,21.3 13.46,22.83 v1(14.22,22.83)
  BOTTOM w0.152: v1(14.22,22.83) 14.22,23.08 15.49,24.35 18.8,24.35 19.05,24.61 19.05,30.83 19.81,31.59 24,31.59 v2(24.35,31.93) ; J2.65 v1(1.93,20.77)
SAR_ADC_CH0: length 10.5
  TOP w0.127: 25.65,41.5 25.65,40.02 25.97,39.7 U3.M1
  TOP w0.152: R26.2 22.71,47.24 22.86,47.08 23.11,47.08 23.37,46.83 23.37,45.56 24.49,44.44 24.49,43.05 25.65,41.88 25.65,41.5
